# Altium PCB MCC17.PcbDoc (part 3 of 5) (continued)
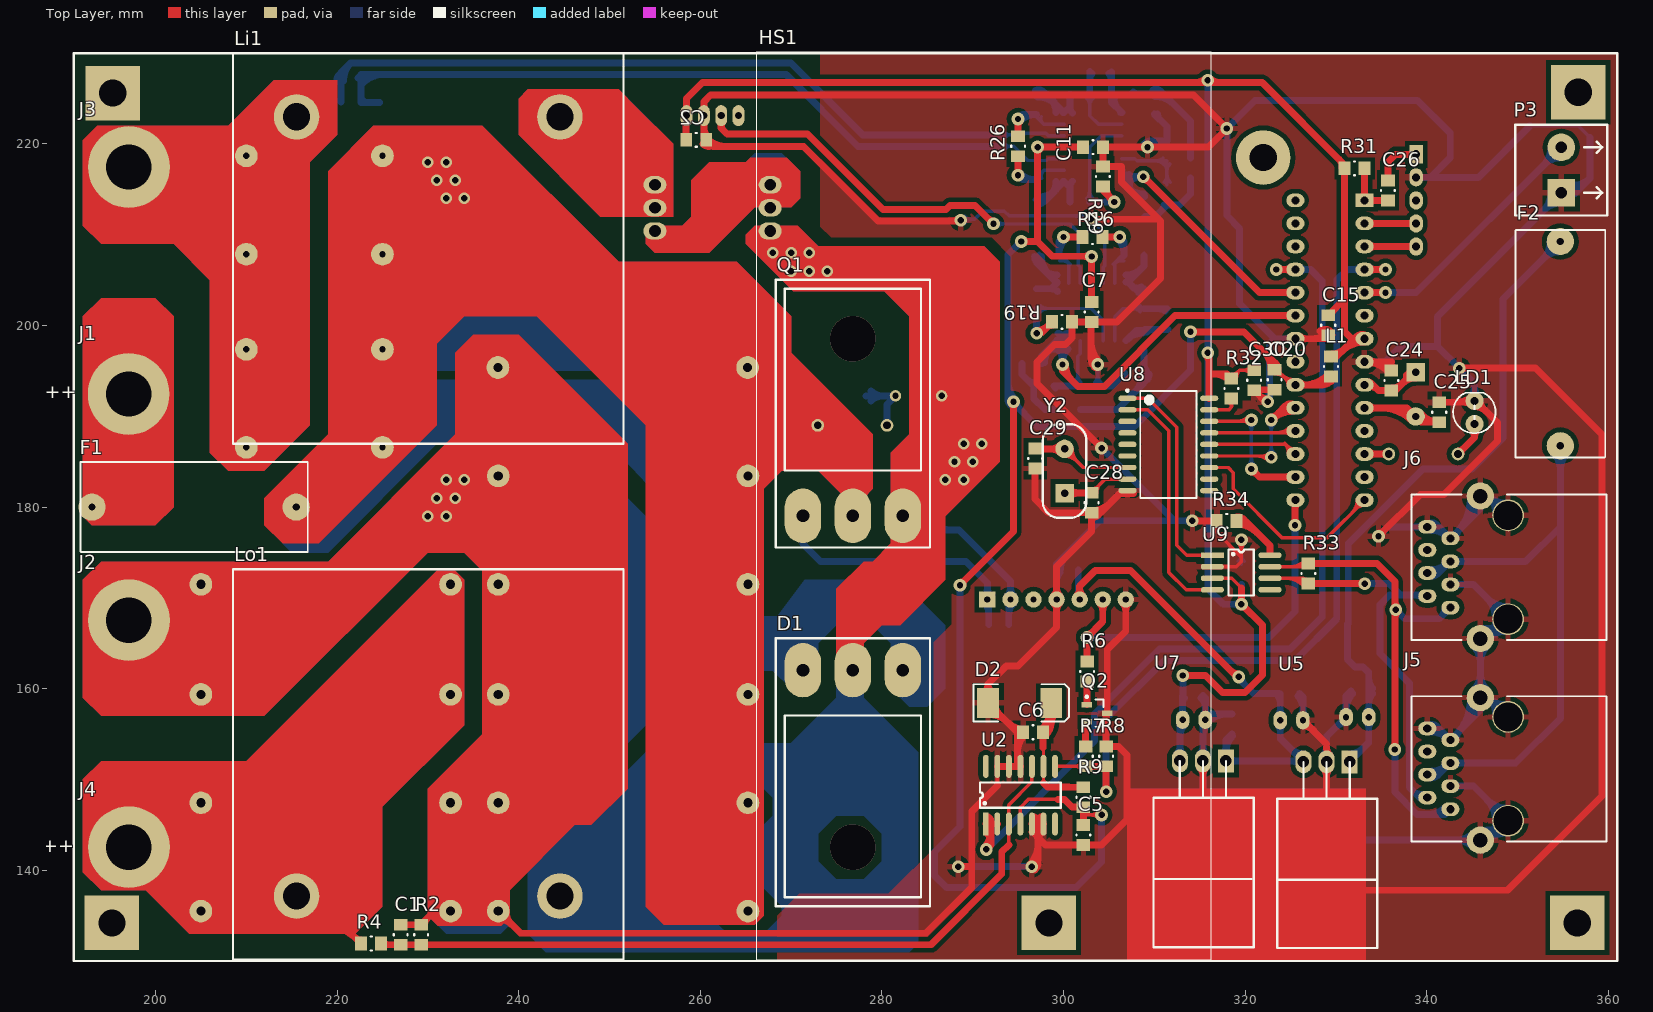
[diagram p0: Top Layer view]
## Nets (pads, with @x,y where several pads share a name; then routed paths per layer and width w, separated by ;. In a path a pad name is that pad's centre, name@x,y a point inside that pad or via, vN(x,y) a via of type N, cw(c..) or ccw(c..) an arc to the next point about the centre after c; other vN are vias at no path point) (continued)
  Bottom Layer w0.762: v1(288.4,140.4) v1@296.5,140.4 ; v1@288.626,140.174 cw(c289.17,139.63) 289.17,140.4 cw(c289.17,141.17) v1@288.626,140.625 ; 295.729,140.4 ccw(c295.729,141.171) v1@296.274,140.626 ; 295.731,140.4 cw(c295.731,139.631) v1@296.274,140.174 ; P1.4@299.245,169.825 C4.1@299.245,172.895 ; C4.1@299.425,173.075 C4.1@299.245,172.895 ; C10.1@303.775,193.35 305.35,193.35 C9.1@306.75,194.75 ; v1@304.2,186.181 cw(c304.2,185.411) 304.745,185.955 cw(c305.289,186.5) v1@304.519,186.5 ; v1(304.2,186.5) 312.2,178.5 ; v1@308.88,219.998 cw(c309.636,219.286) 309.636,220.325 ; v1@308.913,219.937 cw(c309.752,219.223) 309.752,220.325 ; v1@309.493,219.443 cw(c311.4,217.822) C14.1@311.4,220.325 ; 309.925,220.325 C14.1@311.4,220.325 ; C13.1@310,223.3 311.4,221.9 C14.1@311.4,220.325 ; v1@313.974,178.274 ccw(c313.43,177.73) 313.43,178.5 ccw(c313.43,179.27) v1@313.974,178.726 ; v1(314.2,178.5) 312.2,178.5 ; C23.1@315.35,159.275 315.625,159 C21.2@315.625,156.575 ; 315.36,154.794 cw(c317.156,154.794) C21.2@315.886,156.064 ; C21.2@315.364,157.086 ccw(c314.734,157.716) 315.625,157.716 ccw(c316.516,157.716) C21.2@315.886,157.086 ; C21.2@315.886,156.564 cw(c317.421,155.029) 317.421,157.2 ; v1@317.774,221.474 cw(c317.23,220.93) 318,220.93 cw(c318.77,220.93) v1@318.226,221.474 ; v1@318,222.019 ccw(c318,222.789) 318.545,222.245 ccw(c319.089,221.7) v1@318.319,221.7 ; C22.1@318.55,157.2 316.25,157.2 C21.2@315.625,156.575 ; v1@322.274,191.825 ccw(c321.243,192.856) 322.701,192.856 ; v1@322.701,191.6 322.701,197.991 323.255,198.545 ; U6.22@325.034,198.284 ccw(c324.404,197.654) 324.404,198.545 ccw(c324.404,199.436) U6.22@325.034,198.806 ; U6.22@325.284,198.284 ccw(c324.654,197.654) 324.654,198.545 ccw(c324.654,199.436) U6.22@325.284,198.806 ; U6.22@325.545,198.545 323.255,198.545 ; C19.1@326,159.475 326.375,159.1 C17.2@326.375,156.525 328.975,153.925 ; C17.2@326.114,157.036 ccw(c325.484,157.666) 326.375,157.666 ccw(c327.266,157.666) C17.2@326.636,157.036 ; C17.2@326.375,155.906 cw(c326.375,154.412) 327.432,155.468 ; 330.068,155.818 cw(c331.125,154.762) C16.2@331.125,156.256 ; C16.2@330.864,157.386 ccw(c330.234,158.016) 331.125,158.016 ccw(c332.016,158.016) C16.2@331.386,157.386 ; C18.1@331.675,159.75 331.125,159.2 C16.2@331.125,156.875 328.975,154.725 328.975,153.925 ; 332.9,143.32 J5.S@345.915,143.32 J5.S@346.825,143.32 ; U6.8@333.165,196.005 335.405,196.005 337.1,197.7 341.2,197.7 ; U6.8@333.676,195.744 cw(c334.306,195.114) 334.306,196.005 cw(c334.306,196.896) U6.8@333.676,196.266 ; v1(334.7,176.8) 335.72,177.82 J6.8@340.075,177.82 341.345,177.82 J6.7@342.615,176.55 345.915,179.85 J6.S@345.915,181.22 J6.S@346.835,181.22 ; v1@334.7,177.119 ccw(c334.7,177.889) 335.245,177.345 ccw(c335.789,176.8) v1@335.019,176.8 ; P2.2@338.84,216.315 340.4,216.315 ; P2.2@339.101,216.054 cw(c339.731,215.424) 339.731,216.315 cw(c339.731,217.206) P2.2@339.101,216.576 ; J6.8@339.564,177.559 ccw(c338.934,176.929) 338.934,177.82 ccw(c338.934,178.711) J6.8@339.564,178.081 ; J5.8@340.075,155.62 341.345,155.62 J5.7@342.615,154.35 345.915,157.65 J5.S@345.915,159.02 ; J5.3@342.615,149.27 345.155,149.27 J5.S@348.965,145.46 J5.S@346.825,143.32 ; J6.3@342.615,171.47 345.155,171.47 J6.S@348.965,167.66 J6.S@346.825,165.52 ; v1@343.281,195.3 ccw(c342.511,195.3) 343.055,195.845 ccw(c343.6,196.389) v1@343.6,195.619 ; v1@343.6,194.981 cw(c343.6,194.211) 344.144,194.756 cw(c344.689,195.3) v1@343.919,195.3 ; LD1.2@344.837,192.138 ccw(c343.781,193.194) 345.275,193.194 ccw(c346.769,193.194) LD1.2@345.713,192.138 ; LD1.2@345.275,191.7 345.275,193.625 v1(343.6,195.3) 341.2,197.7 ; J5.S@348.965,156.89 J5.S@346.835,159.02 ; J6.S@348.965,179.09 J6.S@346.835,181.22 ; 351.4,222 345.715,216.315 340.4,216.315 ; P3.1@353.682,214.625 cw(c350.923,214.625) 352.874,212.674 cw(c354.825,210.723) P3.1@354.825,213.482 ; P3.1@354.675,214.275 ccw(c355.295,215.722) 356.409,214.609 ; P3.1@354.975,214.975 ccw(c355.773,216.836) 357.204,215.404 ; P3.1@355.275,215.675 ccw(c356.25,217.949) 358,216.2 ; 358,220.7 358,216.2 ; P1.4@298.878,170.192 ccw(c297.992,171.078) 299.245,171.078 ; P1.4@298.878,170.192 ccw(c297.992,171.078) 299.245,171.078 ; P1.4@298.878,170.192 ccw(c297.992,171.078) 299.245,171.078 ; P1.4@298.878,170.192 ccw(c297.992,171.078) 299.245,171.078 ; 299.245,171.078 ccw(c300.498,171.078) P1.4@299.612,170.192 ; 299.245,171.078 ccw(c300.498,171.078) P1.4@299.612,170.192 ; 299.245,171.078 ccw(c300.498,171.078) P1.4@299.612,170.192 ; 299.245,171.078 ccw(c300.498,171.078) P1.4@299.612,170.192 ; 299.245,171.891 cw(c300.509,171.891) C4.1@299.615,172.785 ; 299.245,171.891 cw(c300.509,171.891) C4.1@299.615,172.785 ; 299.245,171.891 cw(c300.509,171.891) C4.1@299.615,172.785 ; 299.245,171.891 cw(c300.509,171.891) C4.1@299.615,172.785 ; C4.1@299.245,172.895 299.245,173.075 299.245,173.745 304,178.5 312.2,178.5 ; C9.1@306.12,194.12 cw(c306.75,193.49) C9.1@306.75,194.381 ; C9.1@306.12,194.12 cw(c306.75,193.49) C9.1@306.75,194.381 ; C9.1@306.12,194.12 cw(c306.75,193.49) C9.1@306.75,194.381 ; C9.1@306.12,194.12 cw(c306.75,193.49) C9.1@306.75,194.381 ; C13.1@310.369,223.3 ccw(c311.26,223.3) C13.1@310.63,222.67 ; C13.1@310.369,223.3 ccw(c311.26,223.3) C13.1@310.63,222.67 ; C13.1@310.369,223.3 ccw(c311.26,223.3) C13.1@310.63,222.67 ; C13.1@310.369,223.3 ccw(c311.26,223.3) C13.1@310.63,222.67 ; U7.2@315.001,151.31 cw(c314.134,150.443) 315.36,150.443 ; U7.2@315.001,151.31 cw(c314.134,150.443) 315.36,150.443 ; U7.2@315.001,151.31 cw(c314.134,150.443) 315.36,150.443 ; U7.2@315.001,151.31 cw(c314.134,150.443) 315.36,150.443 ; U7.2@315.001,152.79 ccw(c314.134,153.657) 315.36,153.657 ; U7.2@315.001,152.79 ccw(c314.134,153.657) 315.36,153.657 ; U7.2@315.001,152.79 ccw(c314.134,153.657) 315.36,153.657 ; U7.2@315.001,152.79 ccw(c314.134,153.657) 315.36,153.657 ; C23.1@315.16,158.985 cw(c314.037,157.862) 315.625,157.862 ; C23.1@315.16,158.985 cw(c314.037,157.862) 315.625,157.862 ; C23.1@315.16,158.985 cw(c314.037,157.862) 315.625,157.862 ; C23.1@315.16,158.985 cw(c314.037,157.862) 315.625,157.862 ; C21.2@315.347,156.853 cw(c316.185,156.015) C21.2@316.185,157.2 ; C21.2@315.347,156.853 cw(c316.185,156.015) C21.2@316.185,157.2 ; C21.2@315.347,156.853 cw(c316.185,156.015) C21.2@316.185,157.2 ; 315.36,150.443 cw(c316.586,150.443) U7.2@315.719,151.31 ; 315.36,150.443 cw(c316.586,150.443) U7.2@315.719,151.31 ; 315.36,150.443 cw(c316.586,150.443) U7.2@315.719,151.31 ; 315.36,150.443 cw(c316.586,150.443) U7.2@315.719,151.31 ; 315.36,153.657 ccw(c316.586,153.657) U7.2@315.719,152.79 ; 315.36,153.657 ccw(c316.586,153.657) U7.2@315.719,152.79 ; 315.36,153.657 ccw(c316.586,153.657) U7.2@315.719,152.79 ; 315.36,153.657 ccw(c316.586,153.657) U7.2@315.719,152.79 ; 315.36,155.044 cw(c317.156,155.044) C21.2@315.886,156.314 ; 315.36,155.044 cw(c317.156,155.044) C21.2@315.886,156.314 ; 315.36,155.044 cw(c317.156,155.044) C21.2@315.886,156.314 ; C21.2@315.364,156.836 ccw(c314.734,157.466) C21.2@315.625,157.466 ; C21.2@315.364,156.836 ccw(c314.734,157.466) C21.2@315.625,157.466 ; C21.2@315.364,156.836 ccw(c314.734,157.466) C21.2@315.625,157.466 ; C21.2@315.625,156.575 315.36,156.31 U7.2@315.36,152.05 315.36,147.9 328.6,147.9 328.975,148.275 U5.2@328.975,151.95 328.975,153.925 ; C21.2@315.625,157.466 ccw(c316.516,157.466) C21.2@315.886,156.836 ; C21.2@315.625,157.466 ccw(c316.516,157.466) C21.2@315.886,156.836 ; C21.2@315.625,157.466 ccw(c316.516,157.466) C21.2@315.886,156.836 ; C21.2@315.886,156.314 cw(c318.025,154.175) C22.1@318.025,157.2 ; C21.2@315.886,156.314 cw(c318.025,154.175) C22.1@318.025,157.2 ; C21.2@315.886,156.314 cw(c318.025,154.175) C22.1@318.025,157.2 ; 323.255,198.545 319.4,202.4 319.4,210.7 318,212.1 v1(318,221.7) 321.1,224.8 339,224.8 342.6,221.2 342.6,218.515 340.4,216.315 ; C19.1@325.81,159.185 cw(c324.445,157.82) 326.375,157.82 ; C19.1@325.81,159.185 cw(c324.445,157.82) 326.375,157.82 ; C19.1@325.81,159.185 cw(c324.445,157.82) 326.375,157.82 ; C19.1@325.81,159.185 cw(c324.445,157.82) 326.375,157.82 ; C17.2@326.114,156.786 ccw(c325.484,157.416) C17.2@326.375,157.416 ; C17.2@326.114,156.786 ccw(c325.484,157.416) C17.2@326.375,157.416 ; C17.2@326.114,156.786 ccw(c325.484,157.416) C17.2@326.375,157.416 ; C17.2@326.375,156.156 cw(c326.375,155.265) C17.2@327.005,155.895 ; C17.2@326.375,156.156 cw(c326.375,155.265) C17.2@327.005,155.895 ; C17.2@326.375,156.156 cw(c326.375,155.265) C17.2@327.005,155.895 ; C17.2@326.375,157.416 ccw(c327.266,157.416) C17.2@326.636,156.786 ; C17.2@326.375,157.416 ccw(c327.266,157.416) C17.2@326.636,156.786 ; C17.2@326.375,157.416 ccw(c327.266,157.416) C17.2@326.636,156.786 ; C17.2@326.744,156.525 ccw(c327.635,156.525) C17.2@327.005,155.895 ; C17.2@326.744,156.525 ccw(c327.635,156.525) C17.2@327.005,155.895 ; C17.2@326.744,156.525 ccw(c327.635,156.525) C17.2@327.005,155.895 ; U5.2@328.616,151.21 cw(c327.749,150.343) 328.975,150.343 ; U5.2@328.616,151.21 cw(c327.749,150.343) 328.975,150.343 ; U5.2@328.616,151.21 cw(c327.749,150.343) 328.975,150.343 ; U5.2@328.616,151.21 cw(c327.749,150.343) 328.975,150.343 ; U5.2@328.616,152.69 ccw(c327.749,153.557) 328.975,153.557 ; U5.2@328.616,152.69 ccw(c327.749,153.557) 328.975,153.557 ; U5.2@328.616,152.69 ccw(c327.749,153.557) 328.975,153.557 ; U5.2@328.616,152.69 ccw(c327.749,153.557) 328.975,153.557 ; 328.975,150.343 cw(c330.201,150.343) U5.2@329.334,151.21 ; 328.975,150.343 cw(c330.201,150.343) U5.2@329.334,151.21 ; 328.975,150.343 cw(c330.201,150.343) U5.2@329.334,151.21 ; 328.975,150.343 cw(c330.201,150.343) U5.2@329.334,151.21 ; 328.975,153.557 ccw(c330.201,153.557) U5.2@329.334,152.69 ; 328.975,153.557 ccw(c330.201,153.557) U5.2@329.334,152.69 ; 328.975,153.557 ccw(c330.201,153.557) U5.2@329.334,152.69 ; 328.975,153.557 ccw(c330.201,153.557) U5.2@329.334,152.69 ; C16.2@330.495,156.245 cw(c331.125,155.615) C16.2@331.125,156.506 ; C16.2@330.495,156.245 ccw(c329.865,156.875) C16.2@330.756,156.875 ; C16.2@330.495,156.245 ccw(c329.865,156.875) C16.2@330.756,156.875 ; C16.2@330.495,156.245 cw(c331.125,155.615) C16.2@331.125,156.506 ; C16.2@330.495,156.245 ccw(c329.865,156.875) C16.2@330.756,156.875 ; C16.2@330.495,156.245 cw(c331.125,155.615) C16.2@331.125,156.506 ; C16.2@330.864,157.136 ccw(c330.234,157.766) C16.2@331.125,157.766 ; C16.2@330.864,157.136 ccw(c330.234,157.766) C16.2@331.125,157.766 ; C16.2@330.864,157.136 ccw(c330.234,157.766) C16.2@331.125,157.766 ; C16.2@331.125,157.673 cw(c333.652,157.673) C18.1@331.865,159.46 ; C16.2@331.125,157.673 cw(c333.652,157.673) C18.1@331.865,159.46 ; C16.2@331.125,157.673 cw(c333.652,157.673) C18.1@331.865,159.46 ; C16.2@331.125,157.673 cw(c333.652,157.673) C18.1@331.865,159.46 ; C16.2@331.125,157.766 ccw(c332.016,157.766) C16.2@331.386,157.136 ; C16.2@331.125,157.766 ccw(c332.016,157.766) C16.2@331.386,157.136 ; C16.2@331.125,157.766 ccw(c332.016,157.766) C16.2@331.386,157.136 ; J5.8@340.133,155.963 cw(c340.545,155.226) 341.142,155.823 ; J5.8@340.133,155.963 cw(c340.545,155.226) 341.142,155.823 ; J5.8@340.133,155.963 cw(c340.545,155.226) 341.142,155.823 ; J5.8@340.133,155.963 cw(c340.545,155.226) 341.142,155.823 ; J6.8@340.133,178.163 cw(c340.545,177.426) 341.142,178.023 ; J6.8@340.133,178.163 cw(c340.545,177.426) 341.142,178.023 ; J6.8@340.133,178.163 cw(c340.545,177.426) 341.142,178.023 ; J6.8@340.133,178.163 cw(c340.545,177.426) 341.142,178.023 ; J5.8@340.325,155.251 cw(c340.325,151.898) J5.7@342.696,154.269 ; J5.8@340.325,155.251 cw(c340.325,151.898) J5.7@342.696,154.269 ; J5.8@340.325,155.251 cw(c340.325,151.898) J5.7@342.696,154.269 ; J5.8@340.325,155.251 cw(c340.325,151.898) J5.7@342.696,154.269 ; J5.8@340.325,156.013 cw(c340.325,154.499) 341.395,155.57 ; J5.8@340.325,156.013 cw(c340.325,154.499) 341.395,155.57 ; J5.8@340.325,156.013 cw(c340.325,154.499) 341.395,155.57 ; J5.8@340.325,156.013 cw(c340.325,154.499) 341.395,155.57 ; J6.8@340.325,177.451 cw(c340.325,174.098) J6.7@342.696,176.469 ; J6.8@340.325,177.451 cw(c340.325,174.098) J6.7@342.696,176.469 ; J6.8@340.325,177.451 cw(c340.325,174.098) J6.7@342.696,176.469 ; J6.8@340.325,177.451 cw(c340.325,174.098) J6.7@342.696,176.469 ; J6.8@340.325,178.213 cw(c340.325,176.699) 341.395,177.77 ; J6.8@340.325,178.213 cw(c340.325,176.699) 341.395,177.77 ; J6.8@340.325,178.213 cw(c340.325,176.699) 341.395,177.77 ; J6.8@340.325,178.213 cw(c340.325,176.699) 341.395,177.77 ; J5.8@340.505,155.298 cw(c341.056,154.311) 341.855,155.11 ; J5.8@340.505,155.298 cw(c341.056,154.311) 341.855,155.11 ; J5.8@340.505,155.298 cw(c341.056,154.311) 341.855,155.11 ; J5.8@340.505,155.298 cw(c341.056,154.311) 341.855,155.11 ; J6.8@340.505,177.498 cw(c341.056,176.511) 341.855,177.31 ; J6.8@340.505,177.498 cw(c341.056,176.511) 341.855,177.31 ; J6.8@340.505,177.498 cw(c341.056,176.511) 341.855,177.31 ; J6.8@340.505,177.498 cw(c341.056,176.511) 341.855,177.31 ; J5.8@340.586,155.359 cw(c341.216,154.729) 341.216,155.62 ; J5.8@340.586,155.359 cw(c341.216,154.729) 341.216,155.62 ; J5.8@340.586,155.359 cw(c341.216,154.729) 341.216,155.62 ; J5.8@340.586,155.359 cw(c341.216,154.729) 341.216,155.62 ; J5.8@340.586,155.881 ccw(c341.216,156.511) 341.216,155.62 ; J5.8@340.586,155.881 ccw(c341.216,156.511) 341.216,155.62 ; J5.8@340.586,155.881 ccw(c341.216,156.511) 341.216,155.62 ; J5.8@340.586,155.881 ccw(c341.216,156.511) 341.216,155.62 ; J6.8@340.586,177.559 cw(c341.216,176.929) 341.216,177.82 ; J6.8@340.586,177.559 cw(c341.216,176.929) 341.216,177.82 ; J6.8@340.586,177.559 cw(c341.216,176.929) 341.216,177.82 ; J6.8@340.586,177.559 cw(c341.216,176.929) 341.216,177.82 ; J6.8@340.586,178.081 ccw(c341.216,178.711) 341.216,177.82 ; J6.8@340.586,178.081 ccw(c341.216,178.711) 341.216,177.82 ; J6.8@340.586,178.081 ccw(c341.216,178.711) 341.216,177.82 ; J6.8@340.586,178.081 ccw(c341.216,178.711) 341.216,177.82 ; 341.2,197.7 341.2,201 P3.1@354.825,214.625 356.425,214.625 358,216.2 ; 341.558,155.407 cw(c340.502,154.35) J5.7@341.996,154.35 ; 341.558,155.407 cw(c340.502,154.35) J5.7@341.996,154.35 ; 341.558,155.407 cw(c340.502,154.35) J5.7@341.996,154.35 ; 341.558,155.407 cw(c340.502,154.35) J5.7@341.996,154.35 ; 341.558,177.607 cw(c340.502,176.55) J6.7@341.996,176.55 ; 341.558,177.607 cw(c340.502,176.55) J6.7@341.996,176.55 ; 341.558,177.607 cw(c340.502,176.55) J6.7@341.996,176.55 ; 341.558,177.607 cw(c340.502,176.55) J6.7@341.996,176.55 ; J5.3@343.126,149.009 cw(c343.756,148.379) 343.756,149.27 ; J5.3@343.126,149.009 cw(c343.756,148.379) 343.756,149.27 ; J5.3@343.126,149.009 cw(c343.756,148.379) 343.756,149.27 ; J5.3@343.126,149.009 cw(c343.756,148.379) 343.756,149.27 ; J5.3@343.126,149.531 ccw(c343.756,150.161) 343.756,149.27 ; J5.3@343.126,149.531 ccw(c343.756,150.161) 343.756,149.27 ; J5.3@343.126,149.531 ccw(c343.756,150.161) 343.756,149.27 ; J5.3@343.126,149.531 ccw(c343.756,150.161) 343.756,149.27 ; J6.3@343.126,171.209 cw(c343.756,170.579) 343.756,171.47 ; J6.3@343.126,171.209 cw(c343.756,170.579) 343.756,171.47 ; J6.3@343.126,171.209 cw(c343.756,170.579) 343.756,171.47 ; J6.3@343.126,171.209 cw(c343.756,170.579) 343.756,171.47 ; J6.3@343.126,171.731 ccw(c343.756,172.361) 343.756,171.47 ; J6.3@343.126,171.731 ccw(c343.756,172.361) 343.756,171.47 ; J6.3@343.126,171.731 ccw(c343.756,172.361) 343.756,171.47 ; J6.3@343.126,171.731 ccw(c343.756,172.361) 343.756,171.47 ; 343.213,143.32 cw(c343.213,140.619) J5.S@345.124,142.529 ; 343.213,143.32 ccw(c343.213,146.022) J5.S@345.124,144.111 ; 343.213,143.32 cw(c343.213,140.619) J5.S@345.124,142.529 ; 343.213,143.32 ccw(c343.213,146.022) J5.S@345.124,144.111 ; 343.213,143.32 ccw(c343.213,146.022) J5.S@345.124,144.111 ; 343.213,143.32 cw(c343.213,140.619) J5.S@345.124,142.529 ; 343.213,143.32 ccw(c343.213,146.022) J5.S@345.124,144.111 ; 343.213,143.32 cw(c343.213,140.619) J5.S@345.124,142.529 ; J5.7@343.234,154.35 cw(c344.728,154.35) 343.672,155.407 ; J5.7@343.234,154.35 cw(c344.728,154.35) 343.672,155.407 ; J5.7@343.234,154.35 cw(c344.728,154.35) 343.672,155.407 ; J5.7@343.234,154.35 cw(c344.728,154.35) 343.672,155.407 ; J6.7@343.234,176.55 cw(c344.728,176.55) 343.672,177.607 ; J6.7@343.234,176.55 cw(c344.728,176.55) 343.672,177.607 ; J6.7@343.234,176.55 cw(c344.728,176.55) 343.672,177.607 ; J6.7@343.234,176.55 cw(c344.728,176.55) 343.672,177.607 ; 343.3,155.035 ccw(c339.665,158.67) J5.S@344.798,158.957 ; 343.3,155.035 ccw(c339.665,158.67) J5.S@344.798,158.957 ; 343.3,155.035 ccw(c339.665,158.67) J5.S@344.798,158.957 ; 343.3,155.035 ccw(c339.665,158.67) J5.S@344.798,158.957 ; 343.3,177.235 ccw(c339.665,180.87) J6.S@344.798,181.157 ; 343.3,177.235 ccw(c339.665,180.87) J6.S@344.798,181.157 ; 343.3,177.235 ccw(c339.665,180.87) J6.S@344.798,181.157 ; 343.3,177.235 ccw(c339.665,180.87) J6.S@344.798,181.157 ; 344.505,156.24 ccw(c341.946,158.798) J5.S@345.559,159 ; 344.505,156.24 ccw(c341.946,158.798) J5.S@345.559,159 ; 344.505,156.24 ccw(c341.946,158.798) J5.S@345.559,159 ; 344.505,156.24 ccw(c341.946,158.798) J5.S@345.559,159 ; 344.505,178.44 ccw(c341.946,180.998) J6.S@345.559,181.2 ; 344.505,178.44 ccw(c341.946,180.998) J6.S@345.559,181.2 ; 344.505,178.44 ccw(c341.946,180.998) J6.S@345.559,181.2 ; 344.505,178.44 ccw(c341.946,180.998) J6.S@345.559,181.2 ; J5.S@345.124,159.811 ccw(c343.213,161.722) 345.915,161.722 ; J5.S@345.124,159.811 ccw(c343.213,161.722) 345.915,161.722 ; J5.S@345.124,159.811 ccw(c343.213,161.722) 345.915,161.722 ; J5.S@345.124,159.811 ccw(c343.213,161.722) 345.915,161.722 ; J6.S@345.124,164.729 cw(c343.213,162.818) 345.915,162.818 ; J6.S@345.124,164.729 cw(c343.213,162.818) 345.915,162.818 ; J6.S@345.124,164.729 cw(c343.213,162.818) 345.915,162.818 ; J6.S@345.124,164.729 cw(c343.213,162.818) 345.915,162.818 ; 345.709,157.444 ccw(c344.227,158.926) J5.S@346.319,159.043 ; 345.709,157.444 ccw(c344.227,158.926) J5.S@346.319,159.043 ; 345.709,157.444 ccw(c344.227,158.926) J5.S@346.319,159.043 ; 345.709,157.444 ccw(c344.227,158.926) J5.S@346.319,159.043 ; 345.709,179.644 ccw(c344.227,181.126) J6.S@346.319,181.243 ; 345.709,179.644 ccw(c344.227,181.126) J6.S@346.319,181.243 ; 345.709,179.644 ccw(c344.227,181.126) J6.S@346.319,181.243 ; 345.709,179.644 ccw(c344.227,181.126) J6.S@346.319,181.243 ; J5.S@345.915,158.663 cw(c345.915,155.58) J5.S@348.095,157.76 ; J5.S@345.915,158.663 cw(c345.915,155.58) J5.S@348.095,157.76 ; J5.S@345.915,158.663 cw(c345.915,155.58) J5.S@348.095,157.76 ; J5.S@345.915,158.663 cw(c345.915,155.58) J5.S@348.095,157.76 ; J5.S@345.915,159.02 J5.S@346.835,159.02 ; J5.S@345.915,159.02 J6.S@345.915,165.52 J6.S@346.825,165.52 ; 345.915,161.722 ccw(c348.617,161.722) J5.S@346.706,159.811 ; 345.915,161.722 ccw(c348.617,161.722) J5.S@346.706,159.811 ; 345.915,161.722 ccw(c348.617,161.722) J5.S@346.706,159.811 ; 345.915,161.722 ccw(c348.617,161.722) J5.S@346.706,159.811 ; 345.915,162.818 cw(c348.617,162.818) J6.S@346.706,164.729 ; 345.915,162.818 cw(c348.617,162.818) J6.S@346.706,164.729 ; 345.915,162.818 cw(c348.617,162.818) J6.S@346.706,164.729 ; 345.915,162.818 cw(c348.617,162.818) J6.S@346.706,164.729 ; J6.S@345.915,180.863 cw(c345.915,177.78) J6.S@348.095,179.96 ; J6.S@345.915,180.863 cw(c345.915,177.78) J6.S@348.095,179.96 ; J6.S@345.915,180.863 cw(c345.915,177.78) J6.S@348.095,179.96 ; J6.S@345.915,180.863 cw(c345.915,177.78) J6.S@348.095,179.96 ; J5.S@345.954,143.675 ccw(c346.208,145.973) J5.S@347.843,144.338 ; J5.S@345.954,143.675 ccw(c346.208,145.973) J5.S@347.843,144.338 ; J5.S@345.954,143.675 ccw(c346.208,145.973) J5.S@347.843,144.338 ; J5.S@345.954,143.675 ccw(c346.208,145.973) J5.S@347.843,144.338 ; J6.S@345.954,165.875 ccw(c346.208,168.173) J6.S@347.843,166.538 ; J6.S@345.954,165.875 ccw(c346.208,168.173) J6.S@347.843,166.538 ; J6.S@345.954,165.875 ccw(c346.208,168.173) J6.S@347.843,166.538 ; J6.S@345.954,165.875 ccw(c346.208,168.173) J6.S@347.843,166.538 ; J5.S@346.038,144.432 ccw(c346.432,147.993) J5.S@348.965,145.46 ; J5.S@346.038,144.432 ccw(c346.432,147.993) J5.S@348.965,145.46 ; J5.S@346.038,144.432 ccw(c346.432,147.993) J5.S@348.965,145.46 ; J5.S@346.038,144.432 ccw(c346.432,147.993) J5.S@348.965,145.46 ; J6.S@346.038,166.632 ccw(c346.432,170.193) J6.S@348.965,167.66 ; J6.S@346.038,166.632 ccw(c346.432,170.193) J6.S@348.965,167.66 ; J6.S@346.038,166.632 ccw(c346.432,170.193) J6.S@348.965,167.66 ; J6.S@346.038,166.632 ccw(c346.432,170.193) J6.S@348.965,167.66 ; 346.628,147.797 cw(c344.291,145.46) J5.S@347.596,145.46 ; 346.628,147.797 ccw(c348.965,150.134) J5.S@348.965,146.829 ; 346.628,147.797 cw(c344.291,145.46) J5.S@347.596,145.46 ; 346.628,147.797 ccw(c348.965,150.134) J5.S@348.965,146.829 ; 346.628,147.797 ccw(c348.965,150.134) J5.S@348.965,146.829 ; 346.628,147.797 cw(c344.291,145.46) J5.S@347.596,145.46 ; 346.628,147.797 ccw(c348.965,150.134) J5.S@348.965,146.829 ; 346.628,147.797 cw(c344.291,145.46) J5.S@347.596,145.46 ; 346.628,169.997 cw(c344.291,167.66) J6.S@347.596,167.66 ; 346.628,169.997 ccw(c348.965,172.334) J6.S@348.965,169.029 ; 346.628,169.997 cw(c344.291,167.66) J6.S@347.596,167.66 ; 346.628,169.997 ccw(c348.965,172.334) J6.S@348.965,169.029 ; 346.628,169.997 ccw(c348.965,172.334) J6.S@348.965,169.029 ; 346.628,169.997 cw(c344.291,167.66) J6.S@347.596,167.66 ; 346.628,169.997 ccw(c348.965,172.334) J6.S@348.965,169.029 ; 346.628,169.997 cw(c344.291,167.66) J6.S@347.596,167.66 ; J5.S@346.825,143.32 cw(c348.706,141.439) J5.S@348.877,144.094 ; J5.S@346.825,143.32 ccw(c344.944,145.201) J5.S@347.599,145.372 ; J5.S@346.825,143.32 cw(c348.706,141.439) J5.S@348.877,144.094 ; J5.S@346.825,143.32 ccw(c344.944,145.201) J5.S@347.599,145.372 ; J5.S@346.825,143.32 ccw(c344.944,145.201) J5.S@347.599,145.372 ; J5.S@346.825,143.32 cw(c348.706,141.439) J5.S@348.877,144.094 ; J5.S@346.825,143.32 ccw(c344.944,145.201) J5.S@347.599,145.372 ; J5.S@346.825,143.32 cw(c348.706,141.439) J5.S@348.877,144.094 ; J6.S@346.825,165.52 cw(c348.706,163.639) J6.S@348.877,166.294 ; J6.S@346.825,165.52 ccw(c344.944,167.401) J6.S@347.599,167.572 ; J6.S@346.825,165.52 cw(c348.706,163.639) J6.S@348.877,166.294 ; J6.S@346.825,165.52 ccw(c344.944,167.401) J6.S@347.599,167.572 ; J6.S@346.825,165.52 ccw(c344.944,167.401) J6.S@347.599,167.572 ; J6.S@346.825,165.52 cw(c348.706,163.639) J6.S@348.877,166.294 ; J6.S@346.825,165.52 ccw(c344.944,167.401) J6.S@347.599,167.572 ; J6.S@346.825,165.52 cw(c348.706,163.639) J6.S@348.877,166.294 ; J5.S@346.835,159.02 cw(c344.976,157.161) J5.S@347.599,156.983 ; J5.S@346.835,159.02 ccw(c348.694,160.879) J5.S@348.872,158.256 ; J5.S@346.835,159.02 cw(c344.976,157.161) J5.S@347.599,156.983 ; J5.S@346.835,159.02 ccw(c348.694,160.879) J5.S@348.872,158.256 ; J5.S@346.835,159.02 ccw(c348.694,160.879) J5.S@348.872,158.256 ; J5.S@346.835,159.02 cw(c344.976,157.161) J5.S@347.599,156.983 ; J5.S@346.835,159.02 ccw(c348.694,160.879) J5.S@348.872,158.256 ; J5.S@346.835,159.02 cw(c344.976,157.161) J5.S@347.599,156.983 ; J6.S@346.835,181.22 cw(c344.976,179.361) J6.S@347.599,179.183 ; J6.S@346.835,181.22 ccw(c348.694,183.079) J6.S@348.872,180.456 ; J6.S@346.835,181.22 cw(c344.976,179.361) J6.S@347.599,179.183 ; J6.S@346.835,181.22 ccw(c348.694,183.079) J6.S@348.872,180.456 ; J6.S@346.835,181.22 ccw(c348.694,183.079) J6.S@348.872,180.456 ; J6.S@346.835,181.22 cw(c344.976,179.361) J6.S@347.599,179.183 ; J6.S@346.835,181.22 ccw(c348.694,183.079) J6.S@348.872,180.456 ; J6.S@346.835,181.22 cw(c344.976,179.361) J6.S@347.599,179.183 ; C4.1@299.694,173.175 cw(c302.154,173.175) 300.415,174.915 ccw(c302.154,173.175) C4.1@299.694,173.175
  Bottom Layer w1.524: J2.1@197.075,167.544 201.044,167.544 Co4.2@205,171.5 ; Co3.2@205,159.376 Co4.2@205,171.5 ; Cc4.2@237.75,171.5 Cc5.2@237.75,183.438 ; J2.1@197.429,168.136 ccw(c199.448,171.518) 202.233,168.733 ; J2.1@197.429,168.136 ccw(c199.448,171.518) 202.233,168.733 ; J2.1@197.429,168.136 ccw(c199.448,171.518) 202.233,168.733 ; J2.1@197.429,168.136 ccw(c199.448,171.518) 202.233,168.733 ; J2.1@198.21,169.445 ccw(c200.482,173.251) 203.616,170.116 ; J2.1@198.21,169.445 ccw(c200.482,173.251) 203.616,170.116 ; J2.1@198.21,169.445 ccw(c200.482,173.251) 203.616,170.116 ; J2.1@198.21,169.445 ccw(c200.482,173.251) 203.616,170.116 ; J2.1@198.992,170.753 ccw(c201.517,174.983) Co4.2@205,171.5 ; J2.1@198.992,170.753 ccw(c201.517,174.983) Co4.2@205,171.5 ; J2.1@198.992,170.753 ccw(c201.517,174.983) Co4.2@205,171.5 ; J2.1@198.992,170.753 ccw(c201.517,174.983) Co4.2@205,171.5
  other v1: 322.499,191.6
  other v2: 230,179 232,179 231,181 233,181 232,183 234,183
CAN_H: J5.1 J6.1 R33.2 U9.7 | length 83.3
  Top Layer w0.381: U9.7@322.749,173.429 326.629,173.429 R33.2@326.974,173.774 ; 324.932,173.429 ccw(c324.932,175.716) R33.2@326.549,174.099 ; 324.932,173.429 ccw(c324.932,175.716) R33.2@326.549,174.099 ; 324.932,173.429 ccw(c324.932,175.716) R33.2@326.549,174.099 ; 324.932,173.429 ccw(c324.932,175.716) R33.2@326.549,174.099 ; 325.852,173.429 ccw(c325.852,174.797) R33.2@326.819,173.83 ; 325.852,173.429 ccw(c325.852,174.797) R33.2@326.819,173.83 ; 325.852,173.429 ccw(c325.852,174.797) R33.2@326.819,173.83 ; 325.852,173.429 ccw(c325.852,174.797) R33.2@326.819,173.83
  Top Layer w0.762: R33.2@326.974,173.774 334.526,173.774 336.5,171.8 v1@336.5,168.8 ; v1@336.274,153.526 ccw(c335.73,154.07) 336.5,154.07 ccw(c337.27,154.07) v1@336.726,153.526 ; v1(336.5,153.3) 336.5,168.7 v1@336.5,168.8 ; 336.5,167.69 cw(c337.609,167.69) v1@336.825,168.474 ; 336.5,169.71 ccw(c337.609,169.71) v1@336.825,168.925 ; v1@336.599,168.701 v1@336.5,168.8
  Bottom Layer w0.381: J6.1@342.437,168.752 J6.1@342.615,168.93
  Bottom Layer w0.762: v1@336.274,153.074 cw(c335.73,152.53) 336.5,152.53 cw(c337.27,152.53) v1@336.726,153.074 ; v1(336.5,153.3) 336.5,148.6 338.956,146.144 342.029,146.144 J5.1@342.615,146.73 ; v1@336.599,168.381 cw(c336.599,167.608) 337.146,168.154 ; v1@336.6,168.7 337.6,167.7 341.385,167.7 J6.1@342.615,168.93 ; v1@336.918,168.7 ccw(c337.686,168.7) 337.143,168.157 ; 340.059,146.144 ccw(c340.059,149.036) J5.1@342.104,146.991 ; 340.059,146.144 ccw(c340.059,149.036) J5.1@342.104,146.991 ; 340.059,146.144 ccw(c340.059,149.036) J5.1@342.104,146.991 ; 340.059,146.144 ccw(c340.059,149.036) J5.1@342.104,146.991 ; 341.558,167.873 ccw(c340.502,168.93) J6.1@341.996,168.93 ; 341.558,167.873 ccw(c340.502,168.93) J6.1@341.996,168.93 ; 341.558,167.873 ccw(c340.502,168.93) J6.1@341.996,168.93 ; 341.558,167.873 ccw(c340.502,168.93) J6.1@341.996,168.93
  other v1: 336.599,168.7
CAN_L: J5.2 J6.2 R33.1 U9.6 | length 78
  Top Layer w0.381: U9.6@322.749,172.159 326.389,172.159 R33.1@326.974,171.574 ; 324.352,172.159 cw(c324.352,169.052) R33.1@326.549,171.249 ; 324.352,172.159 cw(c324.352,169.052) R33.1@326.549,171.249 ; 324.352,172.159 cw(c324.352,169.052) R33.1@326.549,171.249 ; 324.352,172.159 cw(c324.352,169.052) R33.1@326.549,171.249 ; 325.272,172.159 cw(c325.272,169.972) R33.1@326.819,171.519 ; 325.272,172.159 cw(c325.272,169.972) R33.1@326.819,171.519 ; 325.272,172.159 cw(c325.272,169.972) R33.1@326.819,171.519 ; 325.272,172.159 cw(c325.272,169.972) R33.1@326.819,171.519 ; 326.192,172.159 cw(c326.192,170.892) R33.1@327.088,171.788 ; 326.192,172.159 cw(c326.192,170.892) R33.1@327.088,171.788 ; 326.192,172.159 cw(c326.192,170.892) R33.1@327.088,171.788 ; 326.192,172.159 cw(c326.192,170.892) R33.1@327.088,171.788
  Top Layer w0.762: R33.1@326.974,171.574 v1(333.174,171.574) ; v1@332.949,171.349 ccw(c332.404,170.804) 332.404,171.574 ccw(c332.404,172.344) v1@332.949,171.8
  Bottom Layer w0.381: J6.2@339.951,170.2 J6.2@340.075,170.2
  Bottom Layer w0.762: v1(333.174,171.574) 335.881,171.574 337.131,170.324 ; v1@333.4,171.349 cw(c333.944,170.804) 333.944,171.574 cw(c333.944,172.344) v1@333.4,171.8 ; J5.2@340.075,148 339.2,148 338.1,149.1 338.1,160.6 334.845,163.855 334.845,169.245 335.924,170.324 337.131,170.324 ; J6.2@340.075,170.2 339.951,170.324 337.131,170.324 ; 338.413,148.787 ccw(c339.493,149.868) J5.2@339.76,148.363 ; 338.413,148.787 ccw(c339.493,149.868) J5.2@339.76,148.363 ; 338.413,148.787 ccw(c339.493,149.868) J5.2@339.76,148.363 ; 338.413,148.787 ccw(c339.493,149.868) J5.2@339.76,148.363 ; 338.635,170.324 cw(c338.635,169.01) J6.2@339.564,169.939 ; 338.635,170.324 cw(c338.635,169.01) J6.2@339.564,169.939 ; 338.635,170.324 cw(c338.635,169.01) J6.2@339.564,169.939 ; 338.635,170.324 cw(c338.635,169.01) J6.2@339.564,169.939